# Altium PCB RFMC.PcbDoc (part 2 of 5) (continued)
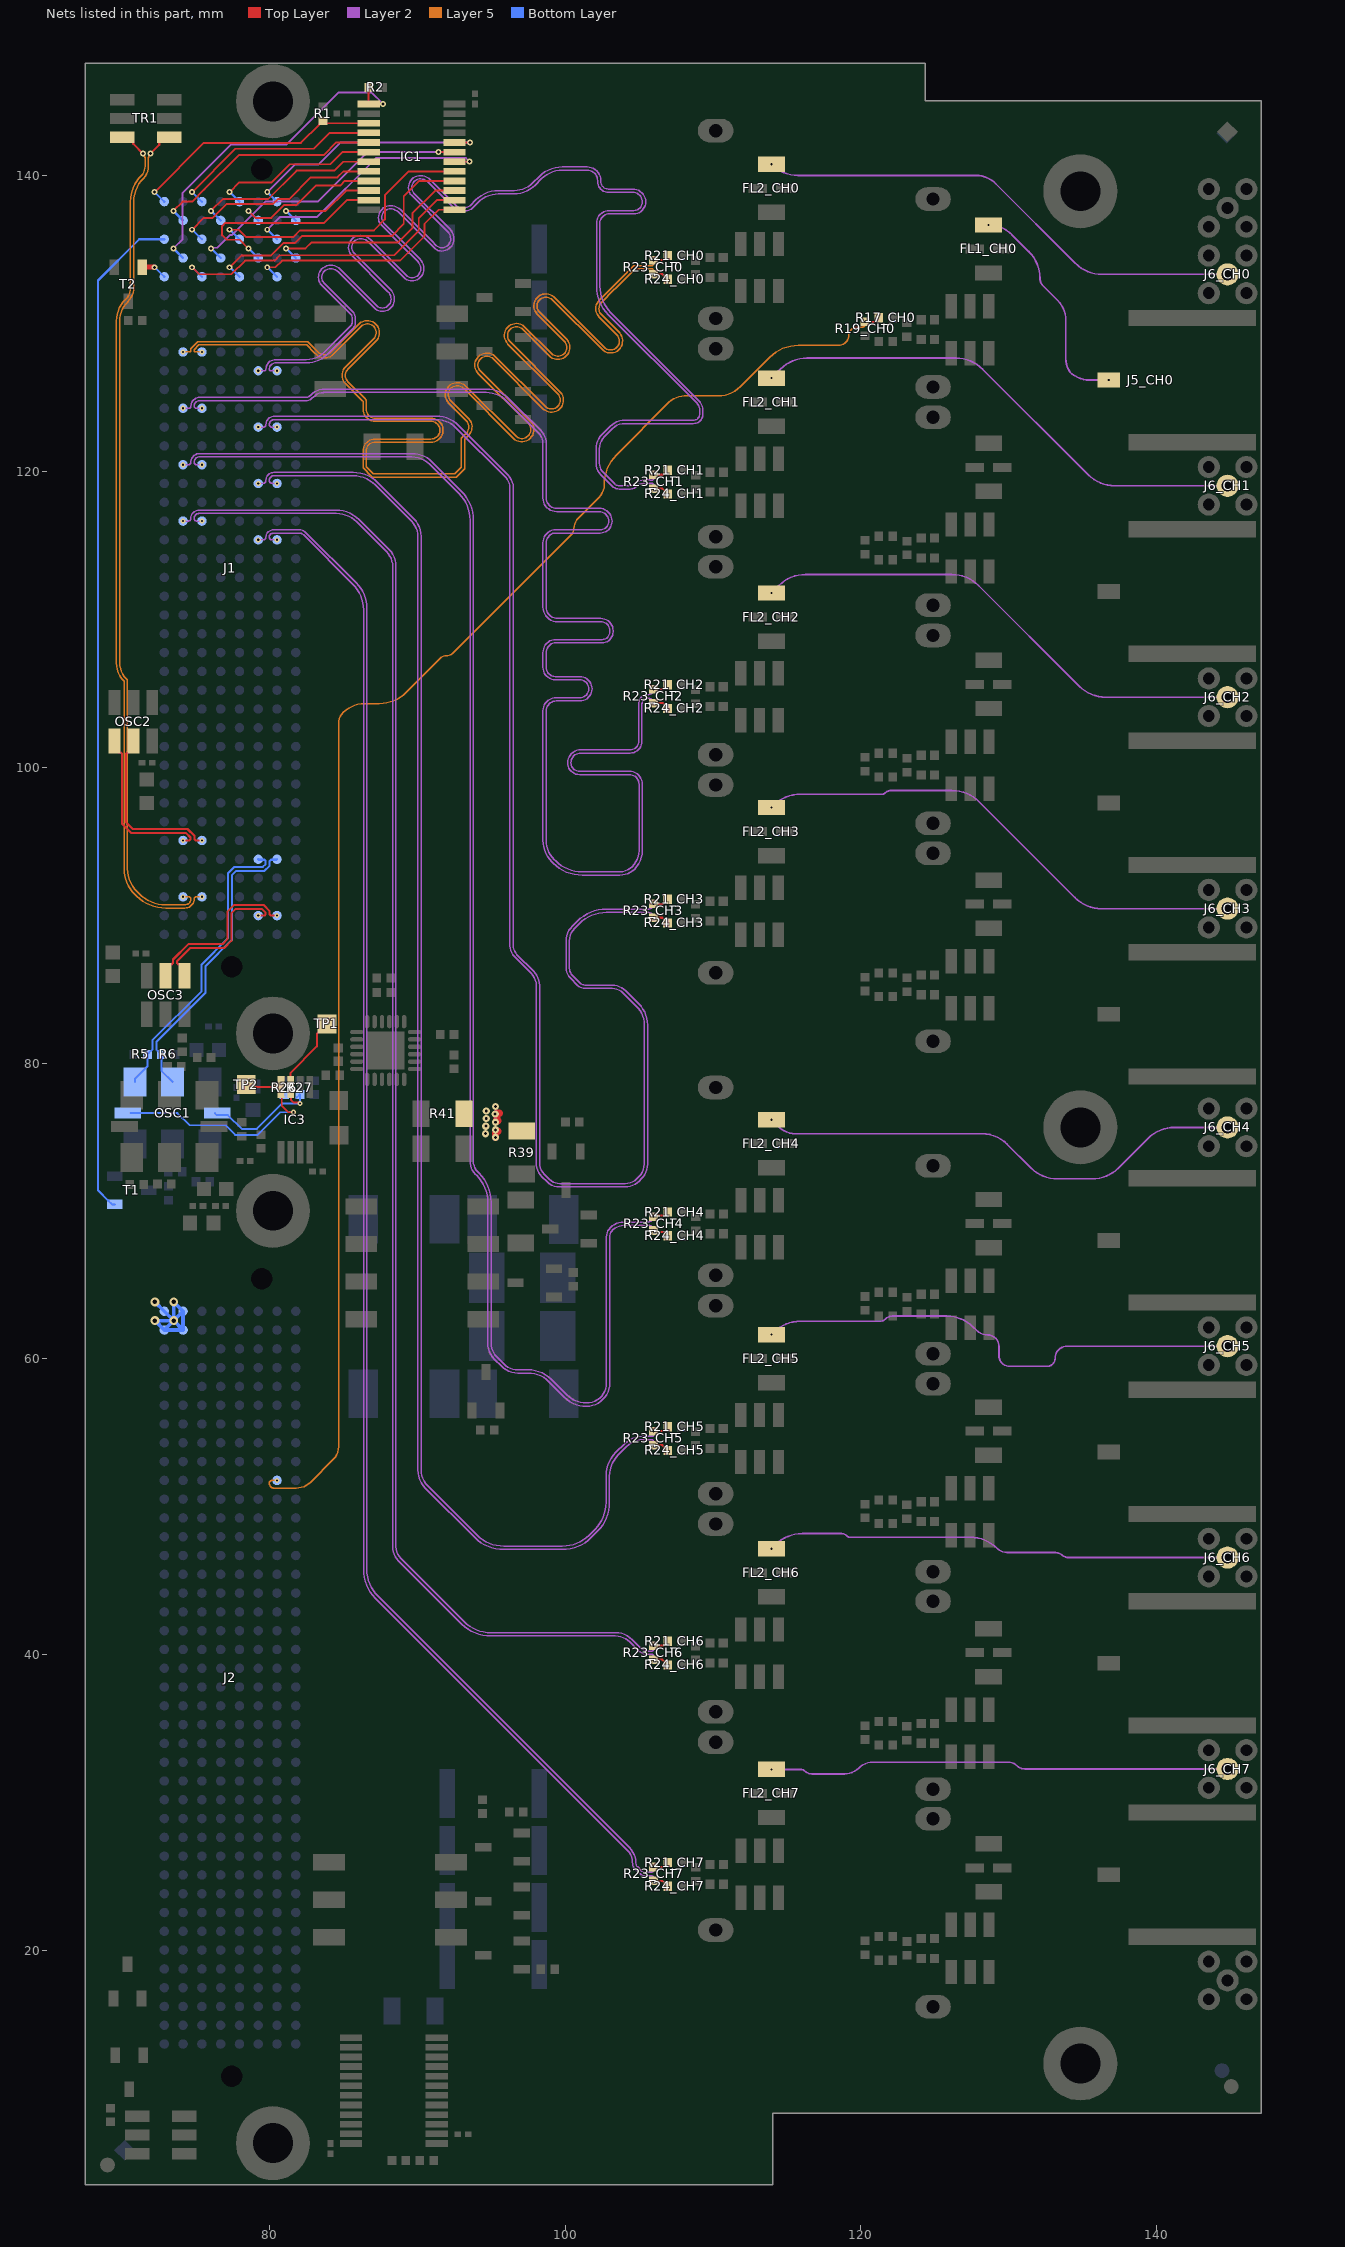
[diagram p8: the nets of this part, all layers, seen from the top]
## Nets (pads, with @x,y where several pads share a name; then routed paths per layer and width w, separated by ;. In a path a pad name is that pad's centre, name@x,y a point inside that pad or via, vN(x,y) a via of type N, cw(c..) or ccw(c..) an arc to the next point about the centre after c; other vN are vias at no path point)
ADC_CH0: FL2_CH0.3 J6_CH0.1 | length 33.6
  Layer 2 w0.118: v4(113.95,140.75) 113.956,140.744 ccw(c115.752,142.54) 115.752,140 127.775,140 cw(c127.775,138.129) 129.098,139.452 134.496,134.054 ccw(c136.292,135.85) 136.292,133.31 J6_CH0.1@144.78,133.31
ADC_CH0_N: J1.f9 R23_CH0.1 R24_CH0.1 | length 102.2
  Top Layer w0.14: v4(105.975,133.33) 106.575,133.33 106.69,133.215 106.71,133.215 106.93,132.995 R24_CH0.1@106.93,132.975
  Layer 5 w0.1: v4(75.452,128.066) 74.983,128.066 74.924,128.124 74.924,128.207 75.257,128.54 82.535,128.54 83.062,128.012 83.173,127.902 ; 83.173,127.902 ccw(c83.748,128.477) 84.324,127.902 86.214,129.793 cw(c86.639,129.369) 87.062,129.794 ; 86.302,124.773 86.35,124.725 86.35,124.6 86.35,124.35 86.35,124.193 ccw(c87.163,124.193) 87.163,123.38 90.939,123.38 cw(c90.939,122.78) 90.939,122.18 87.163,122.18 ccw(c87.163,121.367) 86.35,121.367 86.35,120.439 86.35,120.224 86.899,119.674 86.962,119.612 92.638,119.612 93.213,120.187 93.213,122.162 93.363,122.312 93.473,122.422 ; 86.302,124.773 85.172,125.903 cw(c85.746,126.478) 85.172,127.054 87.062,128.944 ccw(c86.639,129.369) 87.063,129.793 ; 92.289,125.605 ccw(c92.714,125.181) 92.289,124.757 93.473,123.573 cw(c92.899,122.997) 93.474,123.572 93.505,123.541 93.505,123.539 cw(c92.899,122.997) 93.474,122.423 ; 92.29,125.606 cw(c92.714,125.181) 93.139,125.605 ; 93.139,125.604 96.505,122.238 ccw(c97.081,122.812) 97.687,123.354 97.687,123.356 94.287,126.755 cw(c94.712,127.179) 94.287,127.603 ; 94.288,127.604 cw(c94.712,127.179) 95.137,127.603 ; 95.137,127.603 98.503,124.237 ccw(c99.079,124.811) 99.685,125.352 99.685,125.354 96.286,128.754 cw(c96.71,129.177) 96.286,129.602 cw(c96.71,129.177) 97.135,129.601 ; 97.135,129.601 98.937,127.8 ; 98.937,127.799 ccw(c99.512,128.374) 100.087,127.799 ccw(c99.512,128.374) 100.118,128.915 100.118,128.917 98.284,130.752 cw(c98.709,131.176) 98.284,131.6 cw(c98.709,131.176) 99.133,131.599 ; 99.134,131.599 102.5,128.233 ; 102.5,128.233 ccw(c103.075,128.807) 103.682,129.349 103.682,129.351 102.467,130.566 cw(c102.89,130.991) 102.466,131.415 103.307,132.256 ; 103.307,132.256 103.418,132.367 104.745,133.694 105.916,133.694 105.975,133.635 v4(105.975,133.33)
ADC_CH0_P: J1.g9 R21_CH0.1 R23_CH0.2 | length 102.6
  Top Layer w0.14: v4(105.975,134.27) 106.625,134.27 106.69,134.335 106.71,134.335 106.93,134.555 R21_CH0.1@106.93,134.575
  Layer 5 w0.1: v4(74.182,128.066) 74.652,128.066 74.711,128.124 74.711,128.295 75.169,128.753 82.623,128.753 82.888,128.488 83.213,128.163 83.323,128.053 ccw(c83.748,128.477) 84.173,128.053 86.095,129.975 86.097,129.975 cw(c86.639,129.369) 87.213,129.944 cw(c86.639,129.369) 87.213,128.794 85.323,126.903 ccw(c85.746,126.478) 85.322,126.054 86.452,124.924 86.563,124.813 86.563,124.35 86.563,124.193 ccw(c87.163,124.193) 87.163,123.593 90.939,123.593 cw(c90.939,122.78) 90.939,121.967 87.163,121.967 ccw(c87.163,121.367) 86.563,121.367 86.563,120.439 86.563,120.312 87.05,119.825 92.55,119.825 93,120.275 93,122.25 93.212,122.462 93.323,122.573 ccw(c92.899,122.997) 93.322,123.423 92.14,124.605 cw(c92.714,125.181) 92.139,125.756 cw(c92.714,125.181) 93.256,125.787 93.257,125.787 96.657,122.388 ccw(c97.081,122.812) 97.505,122.388 ccw(c97.081,122.812) 97.504,123.237 94.138,126.603 cw(c94.712,127.179) 94.137,127.754 cw(c94.712,127.179) 95.254,127.785 95.256,127.785 98.655,124.386 ccw(c99.079,124.811) 99.503,124.386 ccw(c99.079,124.811) 99.503,125.235 ; 99.502,125.236 96.136,128.602 cw(c96.71,129.177) 97.252,129.784 97.254,129.784 99.089,127.949 ccw(c99.512,128.374) 99.936,127.949 ; 99.937,127.95 ccw(c99.512,128.374) 99.936,128.798 98.135,130.6 cw(c98.709,131.176) 99.25,131.782 99.252,131.782 102.652,128.382 ccw(c103.075,128.807) 103.5,128.383 ccw(c103.075,128.807) 103.499,129.232 ; 103.156,132.406 102.316,131.566 ccw(c102.89,130.991) 102.316,130.415 103.499,129.232 ; 103.157,132.407 103.267,132.517 104.657,133.907 105.916,133.907 105.975,133.965 v4(105.975,134.27)
ADC_CH1: FL2_CH1.3 J6_CH1.1 | length 34.6
  Layer 2 w0.118: v4(113.95,126.3) 114.556,126.906 cw(c116.352,125.11) 116.352,127.65 126.423,127.65 cw(c126.423,125.11) 128.219,126.906 135.361,119.764 ccw(c137.157,121.56) 137.157,119.02 J6_CH1.1@144.78,119.02
ADC_CH1_N: J1.b10 R23_CH1.1 R24_CH1.1 | length 99.9
  Top Layer w0.14: v4(105.98,118.825) 106.58,118.825 106.695,118.71 106.715,118.71 106.935,118.49 R24_CH1.1@106.935,118.47
  Layer 2 w0.093: v4(80.532,126.796) 80.113,126.796 cw(c80.113,126.9) 80.009,126.9 cw(c80.434,126.9) 80.434,127.325 82.514,127.325 ccw(c82.514,129.259) 83.882,127.892 85.67,129.68 ccw(c85.285,130.066) 85.83,130.066 85.83,130.369 ccw(c85.248,130.369) 85.659,130.781 83.698,132.742 cw(c84.056,133.1) 83.55,133.1 83.55,133.103 cw(c84.147,133.103) 83.725,133.525 cw(c84.147,133.103) 84.147,133.7 84.15,133.7 cw(c84.15,132.976) 84.662,133.488 87.125,131.025 ccw(c87.638,131.538) 87.638,130.812 ; 85.585,135.115 ccw(c86.092,135.115) 85.734,134.757 88.187,132.303 cw(c87.522,131.638) 88.463,131.638 ; 85.585,135.117 cw(c86.183,135.117) 85.76,135.54 cw(c86.183,135.117) 86.183,135.715 ; 86.185,135.715 cw(c86.185,134.99) 86.698,135.502 87.535,134.665 88.525,133.675 89.125,133.075 ccw(c89.638,133.588) 89.638,132.862 ; 87.61,137.14 ccw(c88.117,137.14) 87.759,136.782 89.07,135.47 90.187,134.353 cw(c89.522,133.688) 90.463,133.688 ; 87.61,137.142 cw(c88.208,137.142) 87.785,137.565 cw(c88.208,137.142) 88.208,137.74 ; 87.643,130.812 ccw(c87.643,131.63) 88.222,131.052 ; 88.21,137.74 cw(c88.21,137.015) 88.723,137.527 90.844,135.406 91.15,135.1 ccw(c91.663,135.613) 91.663,134.887 ; 88.224,131.055 ccw(c87.648,131.63) 88.463,131.63 ; 89.635,139.165 ccw(c90.142,139.165) 89.784,138.807 92.212,136.378 cw(c91.547,135.713) 92.488,135.713 ; 89.635,139.167 cw(c90.233,139.167) 89.81,139.59 cw(c90.233,139.167) 90.233,139.765 ; 89.643,132.862 ccw(c89.643,133.68) 90.222,133.102 ; 90.224,133.105 ccw(c89.648,133.68) 90.463,133.68 ; 90.235,139.765 cw(c90.235,139.04) 90.748,139.552 92.538,137.762 ccw(c92.924,138.147) 92.924,137.602 93.275,137.602 ccw(c93.275,138.247) 93.731,137.791 94.118,138.178 cw(c95.5,136.795) 95.5,138.75 96.557,138.75 ccw(c96.557,140.763) 97.98,139.34 98.4,139.76 cw(c99.825,138.335) 99.825,140.35 101.5,140.35 cw(c101.5,139.65) 102.2,139.65 102.2,139.577 ccw(c102.925,139.577) 102.925,138.852 104.573,138.852 cw(c104.573,138.2) 105.225,138.2 cw(c104.65,138.2) 104.65,137.625 103.002,137.625 ccw(c103.002,136.75) 102.127,136.75 102.127,132.521 ccw(c104.888,132.521) 102.936,130.569 108.885,124.62 cw(c108.365,124.1) 109.1,124.1 109.1,123.875 cw(c108.675,123.875) 108.675,123.45 104.049,123.45 ccw(c104.049,122.028) 103.043,123.033 102.502,122.492 ccw(c103.467,121.527) 102.102,121.527 102.102,120.528 ccw(c103.177,120.528) 102.417,119.768 103.195,118.99 ccw(c103.649,119.444) 103.649,118.802 104.41,118.802 ccw(c104.41,119.364) 104.807,118.967 ; 91.668,134.887 ccw(c91.668,135.705) 92.247,135.127 ; 92.249,135.13 ccw(c91.673,135.705) 92.488,135.705 ; 104.808,118.967 cw(c105.369,118.406) 105.369,119.2 105.528,119.2 ccw(c105.567,119.24) 105.567,119.184 105.887,119.184 cw(c105.887,119.091) 105.953,119.156 cw(c105.887,119.091) 105.98,119.091 v4(105.98,118.825)
ADC_CH1_P: J1.c10 R21_CH1.1 R23_CH1.2 | length 100.3
  Top Layer w0.14: v4(105.98,119.765) 106.63,119.765 106.695,119.83 106.715,119.83 106.935,120.05 R21_CH1.1@106.935,120.07
  Layer 2 w0.093: v4(79.262,126.796) 79.682,126.796 ccw(c79.682,126.9) 79.786,126.9 cw(c80.434,126.9) 80.434,127.548 82.513,127.548 ccw(c82.513,129.262) 83.725,128.05 85.512,129.837 ccw(c85.281,130.067) 85.607,130.067 85.607,130.367 ccw(c85.242,130.367) 85.5,130.625 83.54,132.585 cw(c84.053,133.099) 83.327,133.099 83.327,133.104 cw(c84.145,133.104) 83.567,133.682 83.569,133.684 cw(c84.145,133.109) 84.145,133.923 84.153,133.923 cw(c84.153,132.982) 84.818,133.647 87.282,131.184 ccw(c87.64,131.542) 87.64,131.035 ; 87.387,137.138 ccw(c88.113,137.138) 87.6,136.625 88.978,135.247 90.027,134.198 cw(c89.515,133.685) 90.24,133.685 ; 87.387,137.143 cw(c88.205,137.143) 87.627,137.722 ; 87.63,137.724 cw(c88.205,137.148) 88.205,137.963 ; 87.642,131.035 ccw(c87.642,131.633) 88.065,131.21 ccw(c87.642,131.633) 88.24,131.633 ; 88.213,137.963 cw(c88.213,137.022) 88.878,137.687 91,135.566 91.307,135.259 ccw(c91.665,135.617) 91.665,135.11 ; 88.24,131.635 ccw(c87.515,131.635) 88.027,132.148 85.575,134.6 cw(c86.088,135.113) 85.362,135.113 cw(c86.18,135.123) 86.18,135.941 cw(c86.18,134.989) 86.853,135.662 87.758,134.758 88.683,133.833 89.282,133.234 ccw(c89.64,133.592) 89.642,133.085 ccw(c89.642,133.683) 90.065,133.26 ccw(c89.642,133.683) 90.24,133.683 ; 89.412,139.163 ccw(c90.138,139.163) 89.625,138.65 92.052,136.223 cw(c91.54,135.71) 92.265,135.71 ; 89.412,139.168 cw(c90.23,139.168) 89.652,139.747 ; 89.655,139.749 cw(c90.23,139.173) 90.23,139.988 ; 90.238,139.988 cw(c90.238,139.047) 90.903,139.712 92.695,137.92 ccw(c92.925,138.15) 92.925,137.825 93.273,137.825 ccw(c93.273,138.252) 93.575,137.95 93.963,138.338 cw(c95.496,136.804) 95.496,138.973 96.553,138.973 ccw(c96.553,140.772) 97.825,139.5 98.244,139.919 cw(c99.822,138.342) 99.822,140.573 101.5,140.573 cw(c101.5,139.65) 102.423,139.65 102.423,139.577 ccw(c102.925,139.577) 102.925,139.075 104.573,139.075 cw(c104.573,138.2) 105.448,138.2 cw(c104.65,138.2) 104.65,137.402 103.002,137.402 ccw(c103.002,136.75) 102.35,136.75 102.35,132.522 ccw(c104.89,132.522) 103.094,130.726 109.044,124.776 cw(c108.371,124.103) 109.323,124.103 109.323,123.875 cw(c108.675,123.875) 108.675,123.227 104.05,123.227 ccw(c104.05,122.025) 103.2,122.875 102.661,122.336 ccw(c103.472,121.525) 102.325,121.525 102.325,120.529 ccw(c103.179,120.529) 102.575,119.925 103.351,119.149 ccw(c103.65,119.447) 103.65,119.025 104.409,119.025 ccw(c104.409,119.366) 104.65,119.125 104.652,119.127 cw(c105.367,118.412) 105.367,119.423 105.697,119.423 ccw(c105.737,119.463) 105.737,119.407 105.887,119.407 ccw(c105.887,119.5) 105.953,119.434 ccw(c105.887,119.5) 105.98,119.5 v4(105.98,119.765) ; 91.667,135.11 ccw(c91.667,135.708) 92.09,135.285 ccw(c91.667,135.708) 92.265,135.708
ADC_CH2: FL2_CH2.3 J6_CH2.1 | length 34.5
  Layer 2 w0.118: v4(113.95,111.775) 114.456,112.281 cw(c116.252,110.485) 116.252,113.025 126.148,113.025 cw(c126.148,110.485) 127.944,112.281 134.751,105.474 ccw(c136.547,107.27) 136.547,104.73 J6_CH2.1@144.78,104.73
ADC_CH2_N: J1.f12 R23_CH2.1 R24_CH2.1 | length 102.7
  Top Layer w0.14: v4(105.97,104.325) 106.62,104.325 106.685,104.26 106.705,104.26 106.925,104.04 R24_CH2.1@106.925,104.02
  Layer 2 w0.093: v4(75.452,124.256) 75.078,124.256 cw(c75.078,124.4) 74.934,124.4 cw(c75.309,124.4) 75.309,124.775 82.479,124.775 ccw(c82.479,125.404) 82.924,124.959 82.984,125.019 cw(c83.727,124.276) 83.662,125.325 cw(c83.727,124.276) 83.727,125.327 94.657,125.327 cw(c94.657,123.357) 96.05,124.75 98.182,122.618 cw(c97.414,121.85) 98.5,121.85 98.5,118.202 ccw(c99.425,118.202) 99.425,117.277 102.298,117.277 cw(c102.298,116.625) 102.95,116.625 cw(c102.375,116.625) 102.375,116.05 99.377,116.05 ccw(c99.377,115.175) 98.502,115.175 98.502,110.825 ccw(c99.5,110.825) 99.5,109.827 102.423,109.827 cw(c102.423,109.225) 103.025,109.225 103.025,109.15 cw(c102.5,109.15) 102.5,108.625 99.377,108.625 ccw(c99.377,107.75) 98.502,107.75 98.502,106.75 ccw(c99.35,106.75) 99.35,105.902 100.998,105.902 cw(c100.998,105.3) 101.6,105.3 cw(c101,105.3) 101,104.7 99.402,104.7 ccw(c99.402,103.8) 98.502,103.8 98.502,95.075 ccw(c100.596,95.075) 99.115,93.594 99.199,93.511 ccw(c101.151,95.463) 101.151,92.702 103.706,92.702 ccw(c103.706,94.118) 104.707,93.117 104.708,93.118 ccw(c103.466,94.36) 105.223,94.36 105.223,98.85 ccw(c104.35,98.85) 104.35,99.723 100.977,99.723 cw(c100.977,100.3) 100.4,100.3 cw(c101.05,100.3) 101.05,100.95 104.398,100.95 ccw(c104.398,101.75) 105.198,101.75 105.198,104.273 cw(c105.6,104.273) 105.6,104.675 105.62,104.675 cw(c105.62,104.325) v4(105.97,104.325)
ADC_CH2_P: J1.g12 R21_CH2.1 R23_CH2.2 | length 103.1
  Top Layer w0.14: v4(105.97,105.265) 106.62,105.265 106.685,105.33 106.705,105.33 106.925,105.55 R21_CH2.1@106.925,105.57
  Layer 2 w0.093: v4(74.182,124.256) 74.567,124.256 ccw(c74.567,124.4) 74.711,124.4 cw(c75.309,124.4) 75.309,124.998 82.477,124.998 ccw(c82.477,125.41) 82.725,125.081 ccw(c82.477,125.41) 82.768,125.119 82.828,125.179 ; 82.829,125.18 cw(c83.724,124.283) 83.724,125.55 94.662,125.55 cw(c94.662,123.369) 96.204,124.911 98.342,122.774 cw(c97.421,121.853) 98.723,121.853 98.723,118.202 ccw(c99.425,118.202) 99.425,117.5 102.298,117.5 cw(c102.298,116.625) 103.173,116.625 cw(c102.375,116.625) 102.375,115.827 99.377,115.827 ccw(c99.377,115.175) 98.725,115.175 98.725,110.825 ccw(c99.5,110.825) 99.5,110.05 102.423,110.05 cw(c102.423,109.225) 103.248,109.225 103.248,109.15 cw(c102.5,109.15) 102.5,108.402 99.377,108.402 ccw(c99.377,107.75) 98.725,107.75 98.725,106.75 ccw(c99.35,106.75) 99.35,106.125 100.998,106.125 cw(c100.998,105.3) 101.823,105.3 cw(c101,105.3) 101,104.477 99.402,104.477 ccw(c99.402,103.8) 98.725,103.8 98.725,95.078 ccw(c100.603,95.078) 99.275,93.75 99.356,93.669 ccw(c101.152,95.465) 101.152,92.925 103.705,92.925 ccw(c103.705,94.12) 104.55,93.275 ccw(c103.464,94.361) 105,94.361 105,98.85 ccw(c104.35,98.85) 104.35,99.5 100.977,99.5 cw(c100.977,100.3) 100.177,100.3 cw(c101.05,100.3) 101.05,101.173 104.398,101.173 ccw(c104.398,101.75) 104.975,101.75 104.975,104.273 cw(c105.6,104.273) 105.6,104.898 105.603,104.898 ccw(c105.603,105.265) v4(105.97,105.265)
ADC_CH3: FL2_CH3.3 J6_CH3.1 | length 34.2
  Layer 2 w0.118: v4(113.95,97.275) 114.106,97.431 cw(c115.902,95.635) 115.902,98.175 121.444,98.175 ccw(c121.444,98.431) 121.625,98.25 cw(c122.047,97.828) 122.047,98.425 126.173,98.425 cw(c126.173,95.885) 127.969,97.681 134.466,91.184 ccw(c136.262,92.98) 136.262,90.44 J6_CH3.1@144.78,90.44
ADC_CH3_N: J1.b13 R23_CH3.1 R24_CH3.1 | length 101.2
  Top Layer w0.14: v4(105.97,89.825) 106.57,89.825 106.685,89.71 106.705,89.71 106.925,89.49 R24_CH3.1@106.925,89.47
  Layer 2 w0.093: v4(80.532,122.986) 80.173,122.986 cw(c80.173,123.15) 80.009,123.15 cw(c80.359,123.15) 80.359,123.5 91.297,123.5 cw(c91.297,121.622) 92.625,122.95 95.992,119.583 cw(c95.309,118.9) 96.275,118.9 96.275,87.945 ccw(c97.353,87.945) 96.591,87.183 97.715,86.059 cw(c96.906,85.25) 98.05,85.25 98.05,73.262 ccw(c99.384,73.262) 98.441,72.319 98.786,71.974 ccw(c99.623,72.811) 99.623,71.627 104.069,71.627 ccw(c104.069,72.952) 105.005,72.015 105.156,72.165 ccw(c104.148,73.173) 105.573,73.173 105.573,82.585 ccw(c103.563,82.585) 104.984,84.006 104.098,84.892 ccw(c103.179,83.973) 103.179,85.273 101.332,85.273 cw(c101.332,85.707) 101.025,85.4 100.494,85.931 cw(c100.964,86.4) 100.3,86.4 100.3,88.255 cw(c101.495,88.255) 100.65,89.1 100.99,89.44 cw(c102.786,87.644) 102.786,90.184 105.612,90.184 cw(c105.612,89.825) v4(105.97,89.825)
ADC_CH3_P: J1.c13 R21_CH3.1 R23_CH3.2 | length 101.5
  Top Layer w0.14: v4(105.97,90.765) 106.62,90.765 106.685,90.83 106.705,90.83 106.925,91.05 R21_CH3.1@106.925,91.07
  Layer 2 w0.093: v4(79.262,122.986) 79.622,122.986 ccw(c79.622,123.15) 79.786,123.15 cw(c80.359,123.15) 80.359,123.723 91.302,123.723 cw(c91.302,121.634) 92.779,123.111 96.152,119.738 cw(c95.318,118.903) 96.498,118.903 96.498,87.947 ccw(c97.358,87.947) 96.75,87.339 97.875,86.214 cw(c96.913,85.253) 98.273,85.253 98.273,73.264 ccw(c99.389,73.264) 98.6,72.475 98.942,72.133 ccw(c99.625,72.816) 99.625,71.85 104.065,71.85 ccw(c104.065,72.96) 104.85,72.175 104.996,72.321 ccw(c104.143,73.175) 105.35,73.175 105.35,82.583 ccw(c103.558,82.583) 104.825,83.85 103.943,84.732 ccw(c103.175,83.964) 103.175,85.05 101.329,85.05 cw(c101.329,85.701) 100.869,85.241 100.336,85.773 cw(c100.962,86.399) 100.077,86.399 100.077,88.258 cw(c101.487,88.258) 100.49,89.255 100.833,89.598 cw(c102.785,87.646) 102.785,90.407 105.612,90.407 ccw(c105.612,90.765) v4(105.97,90.765)
ADC_CH4: FL2_CH4.3 J6_CH4.1 | length 33.4
  Layer 2 w0.118: v4(113.95,76.175) 114.425,75.7 ccw(c115.572,76.847) 115.572,75.225 128.185,75.225 cw(c128.185,72.835) 129.874,74.526 ; 129.875,74.525 131.481,72.919 ccw(c133.277,74.715) 133.277,72.175 135.623,72.175 ccw(c135.623,74.715) 137.419,72.919 139.409,74.909 cw(c141.205,73.113) 141.205,75.653 J6_CH4.1@144.78,75.653
ADC_CH4_N: J1.f15 R23_CH4.1 R24_CH4.1 | length 103.2
  Top Layer w0.14: v4(105.98,68.685) 106.095,68.57 106.715,68.57 106.935,68.35 R24_CH4.1@106.935,68.33
  Layer 2 w0.093: v4(75.452,120.446) 75.083,120.446 cw(c75.083,120.6) 74.929,120.6 cw(c75.304,120.6) 75.304,120.975 89.643,120.975 cw(c89.643,119.268) 90.85,120.475 92.833,118.492 cw(c91.04,116.7) 93.575,116.7 93.575,73.379 ccw(c94.828,73.379) 93.942,72.493 94.031,72.404 cw(c92.235,70.608) 94.775,70.608 94.775,61.058 ccw(c96.279,61.058) 95.216,59.994 95.704,59.505 ccw(c96.799,60.6) 96.799,59.052 97.507,59.052 cw(c97.507,57.082) 98.9,58.475 99.954,57.421 ccw(c101.448,58.915) 101.448,56.802 101.45,56.802 ccw(c101.45,58.375) 103.023,58.375 103.023,68.237 cw(c103.713,68.237) 103.225,68.725 cw(c103.973,67.977) 103.973,69.035 105.63,69.035 cw(c105.63,68.685) v4(105.98,68.685)
ADC_CH4_P: J1.g15 R21_CH4.1 R23_CH4.2 | length 103.5
  Top Layer w0.14: v4(105.98,69.625) 106.045,69.69 106.715,69.69 106.935,69.91 R21_CH4.1@106.935,69.93
  Layer 2 w0.093: v4(74.182,120.446) 74.552,120.446 ccw(c74.552,120.6) 74.706,120.6 cw(c75.304,120.6) 75.304,121.198 89.645,121.198 cw(c89.645,119.273) 91.006,120.634 92.992,118.648 cw(c91.047,116.703) 93.798,116.703 93.798,73.379 ccw(c94.829,73.379) 94.1,72.65 94.19,72.56 cw(c92.24,70.61) 94.998,70.61 94.998,61.06 ccw(c96.285,61.06) 95.375,60.15 95.861,59.664 ccw(c96.8,60.603) 96.8,59.275 97.507,59.275 cw(c97.507,57.083) 99.057,58.633 100.111,57.58 ccw(c101.45,58.919) 101.45,57.025 ccw(c101.45,58.375) 102.8,58.375 102.8,68.24 cw(c103.707,68.24) 103.066,68.881 103.068,68.883 cw(c103.972,67.979) 103.972,69.258 105.613,69.258 ccw(c105.613,69.625) v4(105.98,69.625)
ADC_CH5: FL2_CH5.3 J6_CH5.1 | length 33.8
  Layer 2 w0.118: v4(113.95,61.65) 114.106,61.806 cw(c115.902,60.01) 115.902,62.55 121.288,62.55 ccw(c121.288,63.062) 121.65,62.7 cw(c122.133,62.217) 122.133,62.9 125.798,62.9 cw(c125.798,60.36) 127.594,62.156 127.81,61.94 ccw(c128.57,62.7) 128.57,61.625 cw(c128.57,60.87) 129.325,60.87 129.325,60.225 ccw(c130.05,60.225) 130.05,59.5 132.575,59.5 ccw(c132.575,60.05) 133.125,60.05 cw(c133.941,60.05) 133.941,60.866 J6_CH5.1@144.78,60.866
ADC_CH5_N: J1.b16 R23_CH5.1 R24_CH5.1 | length 100.5
  Top Layer w0.14: v4(105.975,54.18) 106.575,54.18 106.69,54.065 106.71,54.065 106.93,53.845 R24_CH5.1@106.93,53.825
  Layer 2 w0.093: v4(80.532,119.176) 80.233,119.176 cw(c80.233,119.4) 80.009,119.4 cw(c80.309,119.4) 80.309,119.7 85.666,119.7 cw(c85.666,117.566) 87.175,119.075 89.626,116.624 cw(c88.601,115.6) 90.05,115.6 90.05,52.516 ccw(c91.815,52.516) 90.567,51.268 93.899,47.936 ccw(c95.851,49.888) 95.851,47.127 99.824,47.127 ccw(c99.824,49.888) 101.776,47.936 102.189,48.349 ccw(c100.237,50.301) 102.998,50.301 102.998,52.072 cw(c105.053,52.072) 103.6,53.525 104.151,54.076 cw(c105.267,52.961) 105.267,54.539 105.882,54.539 cw(c105.882,54.446) 105.948,54.511 cw(c105.882,54.446) 105.975,54.446 v4(105.975,54.18)
ADC_CH5_P: J1.c16 R21_CH5.1 R23_CH5.2 | length 100.9
  Top Layer w0.14: v4(105.975,55.12) 106.625,55.12 106.69,55.185 106.71,55.185 106.93,55.405 R21_CH5.1@106.93,55.425
  Layer 2 w0.093: v4(79.262,119.176) 79.562,119.176 ccw(c79.562,119.4) 79.786,119.4 cw(c80.309,119.4) 80.309,119.923 85.671,119.923 cw(c85.671,117.578) 87.329,119.236 89.786,116.779 cw(c88.61,115.604) 90.273,115.604 90.273,52.516 ccw(c91.816,52.516) 90.725,51.425 94.056,48.094 ccw(c95.852,49.89) 95.852,47.35 99.823,47.35 ccw(c99.823,49.89) 101.619,48.094 102.031,48.506 ccw(c100.235,50.302) 102.775,50.302 102.775,52.076 cw(c105.043,52.076) 103.439,53.68 104.026,54.267 cw(c105.221,53.072) 105.221,54.762 105.882,54.762 ccw(c105.882,54.855) 105.948,54.789 ccw(c105.882,54.855) 105.975,54.855 v4(105.975,55.12)
ADC_CH6: FL2_CH6.3 J6_CH6.1 | length 31.7
  Layer 2 w0.118: v4(113.95,47.175) 114.231,47.456 cw(c116.027,45.66) 116.027,48.2 118.698,48.2 cw(c118.698,47.773) 119,48.075 ccw(c119.302,48.377) 119.302,47.95 127.398,47.95 cw(c127.398,45.41) 129.194,47.206 ccw(c129.872,47.885) 129.872,46.925 133.026,46.925 cw(c133.026,45.901) 133.579,46.763 ; J6_CH6.1@144.78,46.576 134.03,46.576 cw(c134.03,47.214) 133.713,46.66 ; 133.579,46.763 ccw(c134.03,47.214) 133.713,46.66 ; 133.579,46.763 cw(c133.026,45.901) 133.713,46.66
ADC_CH6_N: J1.f18 R23_CH6.1 R24_CH6.1 | length 104.3
  Top Layer w0.14: v4(105.975,39.68) 106.575,39.68 106.69,39.565 106.71,39.565 106.93,39.345 R24_CH6.1@106.93,39.325
  Layer 2 w0.093: v4(75.452,116.636) 75.118,116.636 cw(c75.118,116.825) 74.929,116.825 cw(c75.254,116.825) 75.254,117.15 84.537,117.15 cw(c84.537,115.187) 85.925,116.575 87.943,114.557 cw(c86.962,113.575) 88.35,113.575 88.35,47.312 ccw(c89.684,47.312) 88.741,46.369 93.024,42.086 ccw(c94.976,44.038) 94.976,41.277 103.404,41.277 cw(c103.404,39.904) 104.375,40.875 104.961,40.289 ccw(c105.566,40.894) 105.566,40.039 105.882,40.039 cw(c105.882,39.946) 105.948,40.011 cw(c105.882,39.946) 105.975,39.946 v4(105.975,39.68)
ADC_CH6_P: J1.g18 R21_CH6.1 R23_CH6.2 | length 104.6
  Top Layer w0.14: v4(105.975,40.62) 106.625,40.62 106.69,40.685 106.71,40.685 106.93,40.905 R21_CH6.1@106.93,40.925
  Layer 2 w0.093: v4(74.182,116.636) 74.517,116.636 ccw(c74.517,116.825) 74.706,116.825 cw(c75.254,116.825) 75.254,117.373 84.539,117.373 cw(c84.539,115.193) 86.081,116.734 88.103,114.713 cw(c86.967,113.577) 88.573,113.577 88.573,47.314 ccw(c89.689,47.314) 88.9,46.525 93.181,42.244 ccw(c94.977,44.04) 94.977,41.5 103.409,41.5 cw(c103.409,39.914) 104.53,41.036 105.086,40.48 ccw(c105.612,41.006) 105.612,40.262 105.882,40.262 ccw(c105.882,40.355) 105.948,40.289 ccw(c105.882,40.355) 105.975,40.355 v4(105.975,40.62)
ADC_CH7: FL2_CH7.3 J6_CH7.1 | length 31.3
  Layer 2 w0.118: v4(113.95,32.26) 115.934,32.26 cw(c115.934,31.884) 116.2,32.15 ccw(c116.683,32.633) 116.683,31.95 118.884,31.95 ccw(c118.884,33.316) 119.85,32.35 ; 119.851,32.351 cw(c120.816,31.384) 120.816,32.75 129.946,32.75 cw(c129.946,31.896) 130.55,32.5 ccw(c131.067,33.017) 131.067,32.286 J6_CH7.1@144.78,32.286
ADC_CH7_N: J1.b19 R23_CH7.1 R24_CH7.1 | length 105.1
  Top Layer w0.14: v4(105.98,24.72) 106.58,24.72 106.695,24.605 106.715,24.605 106.935,24.385 R24_CH7.1@106.935,24.365
  Layer 2 w0.093: v4(80.532,115.366) 80.193,115.366 cw(c80.193,115.55) 80.009,115.55 cw(c80.284,115.55) 80.284,115.825 82.023,115.825 cw(c82.023,115.398) 82.325,115.7 85.659,112.366 cw(c83.926,110.633) 86.377,110.633 86.377,45.776 ccw(c89.138,45.776) 87.184,43.826 ccw(c89.138,45.776) 87.186,43.824 104.211,26.799 ; 104.211,26.799 cw(c103.387,25.975) 104.552,25.975 104.552,25.973 ccw(c105.211,25.973) 104.745,25.507 104.994,25.258 ccw(c105.428,25.692) 105.428,25.079 105.8,25.079 cw(c105.8,24.898) 105.98,24.898 v4(105.98,24.72)
ADC_CH7_P: J1.c19 R21_CH7.1 R23_CH7.2 | length 105.4
  Top Layer w0.14: v4(105.98,25.66) 106.63,25.66 106.695,25.725 106.715,25.725 106.935,25.945 R21_CH7.1@106.935,25.965
  Layer 2 w0.093: v4(79.262,115.366) 79.602,115.366 ccw(c79.602,115.55) 79.786,115.55 cw(c80.284,115.55) 80.284,116.048 82.026,116.048 cw(c82.026,115.405) 82.481,115.86 85.882,112.458 ; 85.883,112.458 cw(c84.149,110.725) 86.6,110.725 86.6,45.777 ccw(c89.14,45.777) 87.344,43.981 104.371,26.954 cw(c103.394,25.978) 104.775,25.978 104.775,25.975 ccw(c105.215,25.975) 104.904,25.664 105.15,25.417 ; 105.151,25.417 ccw(c105.43,25.697) 105.43,25.302 105.8,25.302 ccw(c105.8,25.482) 105.98,25.482 v4(105.98,25.66)
ADC_OSC_I2C_SCL: IC3.8 OSC1.8 R26.1 TP2.1 | length 17.5
  Top Layer w0.127: TP2.1@78.45,78.55 78.625,78.375 v4(80.375,78.375) IC3.8@80.8,78.375 ; IC3.8@80.85,78.014 80.85,77.1 81.275,76.675 v4(81.65,76.675)
  Bottom Layer w0.127: OSC1.8@70.622,76.625 73.8,76.625 74.625,75.8 77.05,75.8 77.7,75.15 79.225,75.15 80.75,76.675 v4(81.65,76.675) ; v4(80.375,78.375) 80.418,78.332 80.543,78.332 80.779,78.096 80.779,78.076 81.005,77.85 R26.1@81.025,77.85
ADC_OSC_I2C_SDA: IC3.7 OSC1.7 R27.1 TP1.1 | length 14.7
  Top Layer w0.127: v4(82.075,77.275) 82.025,77.325 81.65,77.325 81.466,77.509 81.466,78.359 IC3.7@81.45,78.375 81.45,79.35 83.225,81.125 83.225,81.975 TP1.1@83.9,82.65
  Bottom Layer w0.127: OSC1.7@76.327,76.625 76.469,76.484 77.216,76.484 78.15,75.55 79.175,75.55 80.9,77.275 v4(82.075,77.275) R27.1@82.075,77.875 82.056,77.875 R27.1@81.83,77.649
ADCIO_0: IC1.10 J1.a2 | length 7.1
  Top Layer w0.127: v5(81.141,137.599) 83.824,137.599 85.2,138.975 IC1.10@86.725,138.975
  Bottom Layer w0.15: v5@81.16,137.599 J1.a2@81.802,136.956
ADCIO_1: IC1.15 J1.a4 | length 14.5
  Top Layer w0.127: v5(81.141,135.059) 82.45,135.059 82.866,135.475 88.725,135.475 89.687,136.437 89.687,137.437 91.225,138.975 IC1.15@92.525,138.975
  Bottom Layer w0.15: v5@81.16,135.059 J1.a4@81.802,134.416
ADCIO_2: IC1.20 J1.b1 | length 17.1
  Top Layer w0.127: IC1.20@92.525,142.225 v5(93.575,142.225)
  Layer 2 w0.127: v5(79.871,138.869) 81.728,140.725 83.325,140.725 84.825,142.225 v5(93.575,142.225)
  Bottom Layer w0.15: v5@79.89,138.869 J1.b1@80.532,138.226
ADCIO_3: IC1.18 J1.b3 | length 17.7
  Top Layer w0.127: IC1.18@92.525,140.925 v5(93.55,140.925)
  Layer 2 w0.127: v5(79.871,136.329) 80.718,137.175 83.225,137.175 87.225,141.175 93.3,141.175 v5(93.55,140.925)
  Bottom Layer w0.15: v5@79.89,136.329 J1.b3@80.532,135.686
ADCIO_4: IC1.13 J1.b5 | length 15.7
  Top Layer w0.127: v5(79.871,133.789) 80.414,133.789 80.869,134.244 88.844,134.244 90.5,135.9 90.5,136.725 91.45,137.675 IC1.13@92.525,137.675
  Bottom Layer w0.15: v5@79.89,133.789 J1.b5@80.532,133.146
ADCIO_5: IC1.9 J1.c2 | length 10.3
  Top Layer w0.127: v5(78.601,137.599) 79.073,137.127 80.152,137.127 81.025,138 81.85,138 83.175,139.325 84.825,139.325 85.125,139.625 IC1.9@86.725,139.625
  Bottom Layer w0.15: v5@78.62,137.599 J1.c2@79.262,136.956
ADCIO_6: IC1.11 J1.c4 | length 14.3
  Top Layer w0.127: v5(78.601,135.059) 78.01,135.65 77.125,135.65 76.825,135.95 76.825,136.575 77.034,136.784 83.709,136.784 85.25,138.325 IC1.11@86.725,138.325
  Bottom Layer w0.15: v5@78.62,135.059 J1.c4@79.262,134.416
ADCIO_7: IC1.6 J1.d1 | length 11.4
  Top Layer w0.127: v5(77.331,138.869) 77.988,139.525 79.142,139.525 79.144,139.522 80.172,139.522 81.4,140.75 84.125,140.75 84.95,141.575 IC1.6@86.725,141.575
  Bottom Layer w0.15: v5@77.35,138.869 J1.d1@77.992,138.226
ADCIO_8: IC1.17 J1.d3 | length 19.1
  Top Layer w0.127: v5(77.331,136.329) 77.948,136.329 78.431,135.846 81.65,135.846 82.079,136.275 87.075,136.275 87.825,137.025 87.825,138.65 89.45,140.275 IC1.17@92.525,140.275
  Bottom Layer w0.15: v5@77.35,136.329 J1.d3@77.992,135.686
ADCIO_9: IC1.16 J1.d5 | length 19.6
  Top Layer w0.127: v5(77.331,133.789) 78.118,134.575 80.1,134.575 80.95,135.425 81.725,135.425 82.2,135.9 88.275,135.9 89.1,136.725 89.1,138.575 90.15,139.625 IC1.16@92.525,139.625
  Bottom Layer w0.15: v5@77.35,133.789 J1.d5@77.992,133.146
ADCIO_10: IC1.7 J1.e2 | length 13
  Top Layer w0.127: v5(76.061,137.599) 76.86,138.397 79.922,138.397 81.85,140.325 84.4,140.325 85,140.925 IC1.7@86.725,140.925
  Bottom Layer w0.15: v5@76.08,137.599 J1.e2@76.722,136.956
ADCIO_11: IC1.19 J1.e4 | length 20.1
  Top Layer w0.127: v5(91.45,141.575) IC1.19@92.525,141.575
  Layer 2 w0.127: v5(76.061,135.059) 76.114,135.111 76.486,135.111 77.34,135.965 77.482,135.965 79.742,138.225 83.275,138.225 86.625,141.575 v5(91.45,141.575)
  Bottom Layer w0.15: v5@76.08,135.059 J1.e4@76.722,134.416
ADCIO_12: IC1.4 J1.f1 | length 14.5
  Top Layer w0.127: v5(74.791,138.869) 77.723,141.8 83.025,141.8 84.1,142.875 IC1.4@86.725,142.875
  Bottom Layer w0.15: v5@74.81,138.869 J1.f1@75.452,138.226
ADCIO_13: IC1.8 J1.f3 | length 14.5
  Top Layer w0.127: v5(74.791,136.329) 75.59,137.127 76.177,137.127 77.104,138.054 80.25,138.054 80.59,138.394 81.356,138.394 82.825,139.862 84.613,139.862 85.025,140.275 IC1.8@86.725,140.275
  Bottom Layer w0.15: v5@74.81,136.329 J1.f3@75.452,135.686
ADCIO_14: IC1.14 J1.f5 | length 21.4
  Top Layer w0.127: v5(74.791,133.789) 75.263,133.317 77.442,133.317 78.369,134.244 80.369,134.244 80.725,134.6 88.45,134.6 90.112,136.262 90.112,137.112 91.325,138.325 IC1.14@92.525,138.325
  Bottom Layer w0.15: v5@74.81,133.789 J1.f5@75.452,133.146
ADCIO_15: IC1.5 J1.g2 | length 16
  Top Layer w0.127: v5(73.521,137.599) 74.148,138.225 74.796,138.225 75.624,139.053 77.946,141.375 83.675,141.375 84.525,142.225 IC1.5@86.725,142.225
  Bottom Layer w0.15: v5@73.54,137.599 J1.g2@74.182,136.956
ADCIO_16: IC1.1 J1.g4 R2.2 | length 23.7
  Top Layer w0.127: R2.2@86.73,145.95 86.725,145.945 IC1.1@86.725,144.825 v5(87.7,144.825)
  Layer 2 w0.127: v5(73.521,135.059) 74.15,135.687 74.15,138.825 77.4,142.075 81.155,142.075 84.053,144.972 84.053,144.978 84.675,145.6 86.925,145.6 v5(87.7,144.825)
  Bottom Layer w0.15: v5@73.54,135.059 J1.g4@74.182,134.416
ADCIO_17: IC1.3 J1.h1 R1.2 | length 17.5
  Top Layer w0.127: v5(72.251,138.869) 75.583,142.2 82.15,142.2 83.404,143.454 83.404,143.474 83.63,143.7 R1.2@83.65,143.7 83.825,143.525 IC1.3@86.725,143.525
  Bottom Layer w0.15: v5@72.27,138.869 J1.h1@72.912,138.226
ADCIO_18: J1.h3 T1.1 | length 68.7
  Bottom Layer w0.15: T1.1@69.575,70.45 69.375,70.45 69.125,70.7 68.425,71.4 68.425,132.895 71.216,135.686 J1.h3@72.912,135.686
ADCIO_19: J1.h5 T2.1 | length 1.7
  Top Layer w0.35: T2.1@71.426,133.8 72.227,133.8 72.238,133.789 v5(72.251,133.789)
  Bottom Layer w0.15: v5@72.27,133.789 J1.h5@72.912,133.146
ADCLK0_N: J1.b36 OSC1.5 R6.2 | length 20.3
  Bottom Layer w0.14: OSC1.5@73.475,78.725 72.71,79.49 R6.2@72.71,80.586 72.71,80.606 72.49,80.826 72.458,80.826 72.376,80.908 72.376,81.425 75.7,84.749 75.7,86.55 77.48,88.33 77.48,92.705 77.771,92.996 79.688,92.996 80.031,93.339 80.031,93.659 80.113,93.741 80.498,93.741 J1.b36@80.532,93.776
ADCLK0_P: J1.c36 OSC1.4 R5.2 | length 20.3
  Bottom Layer w0.14: OSC1.4@70.935,78.725 70.935,78.95 71.775,79.79 R5.2@71.775,80.586 71.775,80.606 71.995,80.826 72.027,80.826 72.109,80.908 72.109,81.536 75.433,84.86 75.433,86.661 77.213,88.441 77.213,92.816 77.66,93.263 79.577,93.263 79.764,93.45 79.764,93.659 79.682,93.741 79.297,93.741 J1.c36@79.262,93.776
ADCLK1_N: J1.f35 OSC2.5 | length 11.5
  Top Layer w0.14: OSC2.5@70.825,101.775 70.825,101.325 70.495,100.995 70.406,100.995 70.324,100.913 70.324,96.276 70.775,95.825 74.481,95.825 74.951,95.355 74.951,95.128 75.033,95.046 v4(75.452,95.046)
ADCLK1_P: J1.g35 OSC2.4 | length 11.5
  Top Layer w0.14: OSC2.4@69.555,101.775 69.555,101.325 69.885,100.995 69.974,100.995 70.056,100.913 70.056,96.166 70.664,95.558 74.37,95.558 74.684,95.244 74.684,95.128 74.602,95.046 v4(74.182,95.046)
ADCLK2_N: J1.b39 OSC3.5 | length 11.4
  Top Layer w0.14: OSC3.5@73,85.9 73,86.35 73.33,86.68 73.419,86.68 73.501,86.762 73.501,87 74.544,88.042 76.842,88.042 77.175,88.375 77.175,90.228 77.639,90.692 79.614,90.692 80.031,90.275 80.031,90.048 80.113,89.966 v4(80.532,89.966)
ADCLK2_P: J1.c39 OSC3.4 | length 10.6
  Top Layer w0.14: OSC3.4@74.27,85.9 74.27,86.35 73.94,86.68 73.851,86.68 73.769,86.762 73.769,86.889 74.654,87.775 76.953,87.775 77.442,88.264 77.442,90.117 77.75,90.425 79.503,90.425 79.764,90.164 79.764,90.048 79.682,89.966 v4(79.262,89.966)
ADCLK3_N: J1.f38 TR1.4 | length 58.1
  Top Layer w0.14: TR1.4@70.06,142.58 70.505,142.58 70.815,142.27 70.815,142.135 v5(71.475,141.475)
  Layer 5 w0.093: v5(71.475,141.475) ccw(c71.643,141.475) 71.524,141.356 cw(c71.308,141.141) 71.614,141.141 71.614,140.611 cw(c70.714,140.611) 71.35,139.975 71.347,139.972 ccw(c73.085,138.234) 70.627,138.234 70.627,132.45 cw(c69.425,132.45) 70.275,131.6 70.272,131.597 ccw(c71.71,130.16) 69.677,130.16 69.677,107.061 ccw(c71.435,107.061) 70.192,105.818 70.2,105.81 70.2,93.149 ccw(c72.648,93.149) 70.917,91.418 71.049,91.286 ccw(c73.001,93.238) 73.001,90.477 74.306,90.477 ccw(c74.306,91.1) 74.929,91.1 cw(c75.065,91.1) 75.065,91.236 v4(75.452,91.236)
ADCLK3_P: J1.g38 TR1.3 | length 57.3
  Top Layer w0.14: v5(71.975,141.475) 72.572,142.072 72.572,142.27 72.881,142.58 TR1.3@73.24,142.58
  Layer 5 w0.093: 71.508,139.817 ccw(c73.095,138.23) 70.85,138.23 70.85,132.449 cw(c69.428,132.449) 70.433,131.443 ccw(c71.719,130.156) 69.9,130.156 69.9,107.061 ccw(c71.436,107.061) 70.35,105.975 70.359,105.966 cw(c70.204,105.811) 70.423,105.811 70.423,93.149 ccw(c72.649,93.149) 71.075,91.575 71.206,91.444 ccw(c73.002,93.24) 73.002,90.7 74.306,90.7 ccw(c74.306,91.1) 74.706,91.1 ccw(c74.57,91.1) 74.57,91.236 v4(74.182,91.236) ; 71.508,139.818 ccw(c70.716,140.61) 71.837,140.61 71.837,141.141 cw(c72.142,141.141) 71.926,141.356 ccw(c71.807,141.475) v5(71.975,141.475)
DAC_AVTT: J2.g1 J2.g2 J2.h1 J2.h2 R39.1 R41.1 | length 12.5
  Top Layer w0.5: v3(95.3,74.984) 95.3,75.262 v3@95.438,75.4 ; v3@95.438,76.092 95.4,76.13 95.4,76.6 95.549,76.6
  Bottom Layer w0.254: v2(72.277,63.861) J2.h1@72.912,63.226 v2(73.547,62.591) ; J2.h2@72.912,61.956 v2(73.547,62.591) ; J2.h2@72.912,61.956 J2.g2@74.182,61.956 ; J2.h2@72.912,61.956 v2(72.277,62.591) v2(73.547,62.591) ; v2(73.547,62.591) J2.g1@74.182,63.226 ; v2(73.547,62.591) v2(73.547,63.861) J2.g1@74.182,63.226 ; v2(73.547,62.591) J2.g2@74.182,61.956 ; J2.g2@74.182,61.956 J2.g1@74.182,63.226
  other v3: 94.624,75.235 95.3,75.492 94.649,75.743 95.3,76 94.675,76.251 95.275,76.559 94.675,76.759 95.3,77.067
DAC_CH0: FL1_CH0.3 J5_CH0.1 | length 15.1
  Layer 2 w0.118: v4(128.625,136.65) cw(c128.625,134.417) 130.204,135.996 131.351,134.849 cw(c129.555,133.053) 132.095,133.053 ccw(c132.814,133.053) 132.306,132.544 133.275,131.575 cw(c131.887,130.187) 133.85,130.187 133.85,127.622 ccw(c135.472,127.622) 134.128,126.713 ccw(c135.452,128.036) 135.452,126.165 v4(136.75,126.165)
DAC_CH0_N: J2.b10 R17_CH0.1 R19_CH0.2 | length 104.8
  Top Layer w0.14: v4(120.275,130.095) 120.925,130.095 120.99,130.16 121.01,130.16 121.23,130.38 R17_CH0.1@121.23,130.4
  Layer 5 w0.093: v4(80.532,51.796) 80.205,51.796 ccw(c80.205,51.6) 80.009,51.6 ccw(c80.334,51.6) 80.334,51.275 81.825,51.275 ccw(c81.825,52.663) 82.807,51.682 84.346,53.221 ccw(c83.493,54.075) 84.7,54.075 84.7,102.944 cw(c85.776,102.944) 85.015,103.706 85.018,103.708 cw(c86.441,102.285) 86.441,104.298 87.446,104.298 ccw(c87.446,106.838) 89.242,105.042 91.563,107.363 cw(c91.949,106.977) 91.949,107.523 ; 91.95,107.523 ccw(c91.95,108.242) 92.459,107.734 100.423,115.698 ccw(c99.996,116.125) 100.6,116.125 100.6,116.127 cw(c101.597,116.127) 100.892,116.832 102.307,118.248 ccw(c101.48,119.075) 102.65,119.075 102.65,119.147 cw(c105.411,119.147) 103.459,121.099 107.022,124.663 cw(c108.073,123.612) 108.073,125.098 110.336,125.098 ccw(c110.336,127.239) 111.85,125.725 113.83,127.705 cw(c115.776,125.759) 115.776,128.511 118.488,128.511 ccw(c118.488,129.2) 119.177,129.2 cw(c119.713,129.2) 119.713,129.736 120.075,129.736 ccw(c120.075,129.936) 120.275,129.936 v4(120.275,130.095)